# Altium PCB ddrlegobrick.PcbDoc (part 1 of 2)
Units mm, origin at the board's own origin, x right, y up, seen from the top; angles counter-clockwise.
Board outline 62 x 30 mm, 4 copper layers (TOP_PWR, POWER, SHIELD_GND, SIGNAL), stack 0.603 mm thick; 106 components, 102 nets, 465 pads, 300 vias.
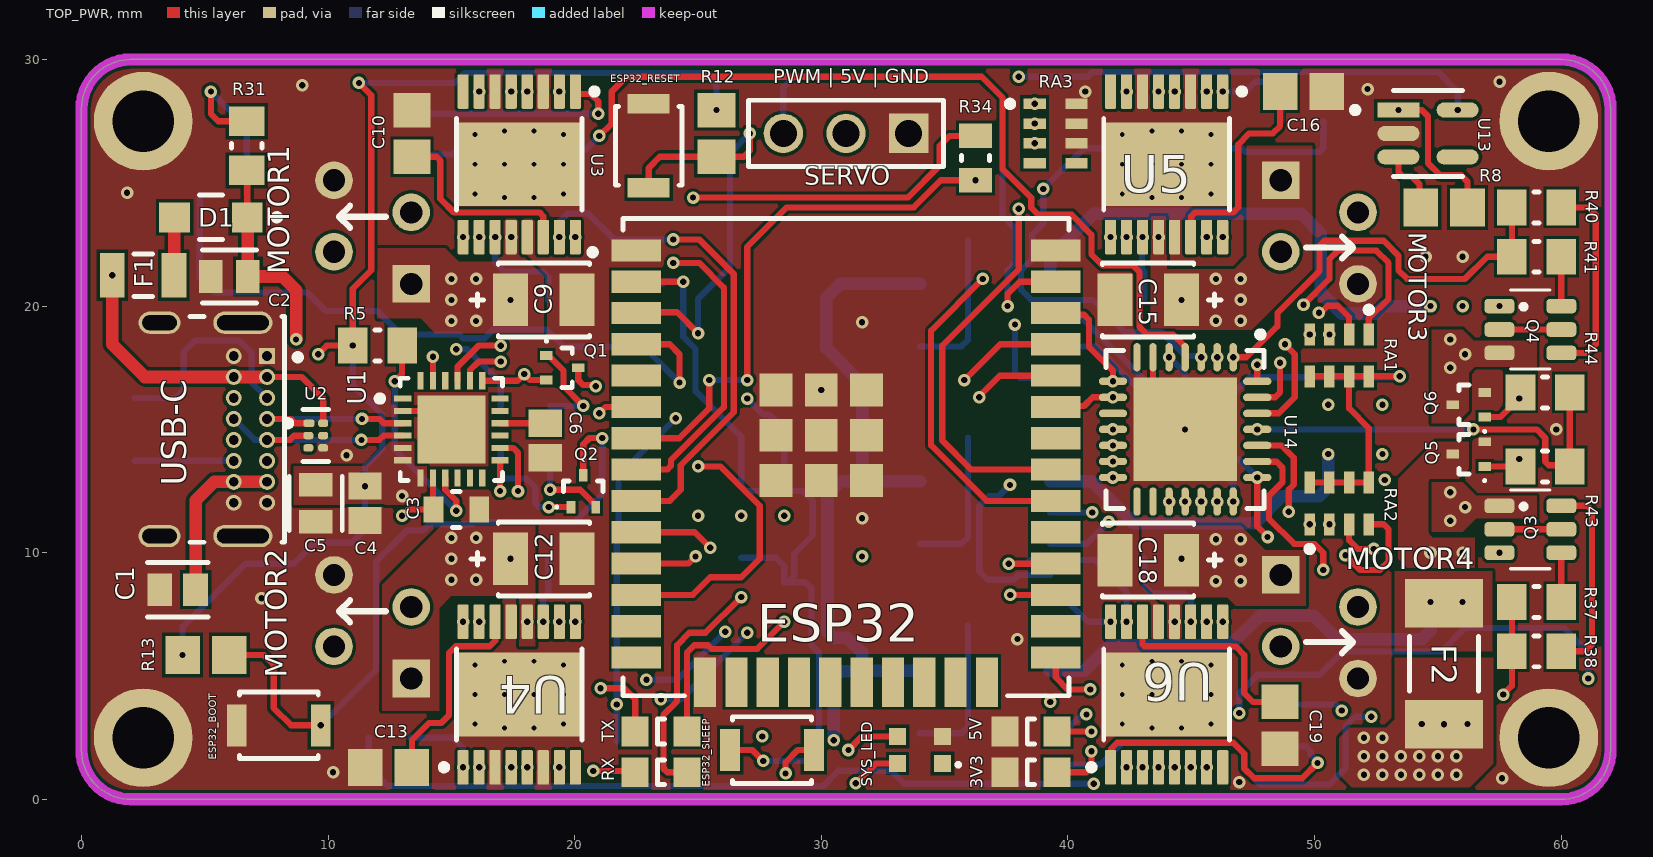
[diagram p0: TOP_PWR view]
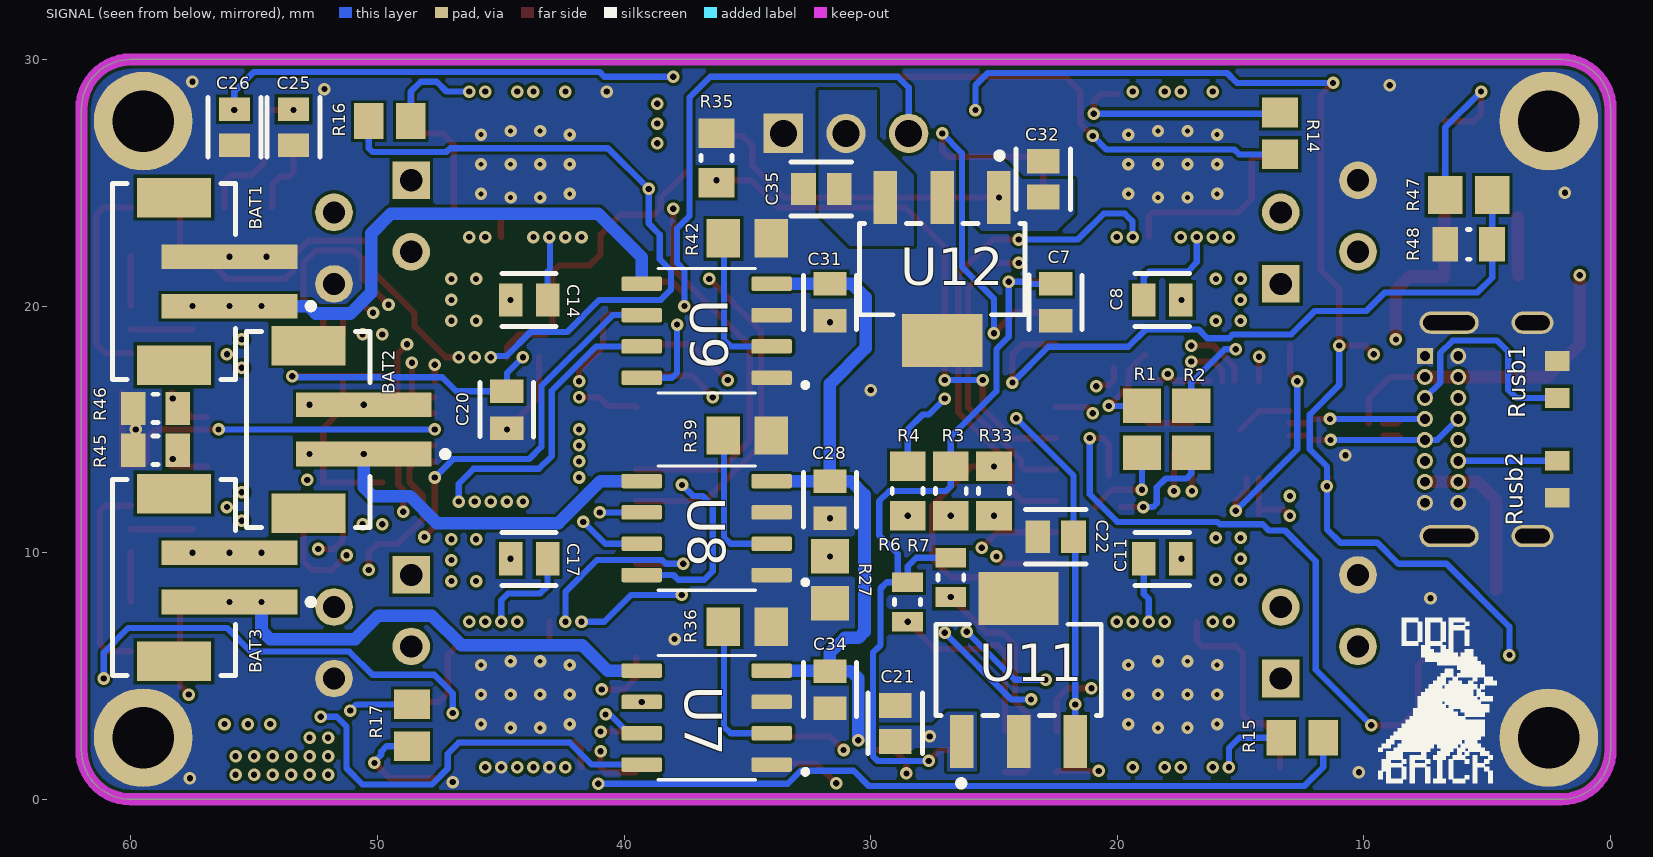
[diagram p1: SIGNAL view, seen from below]
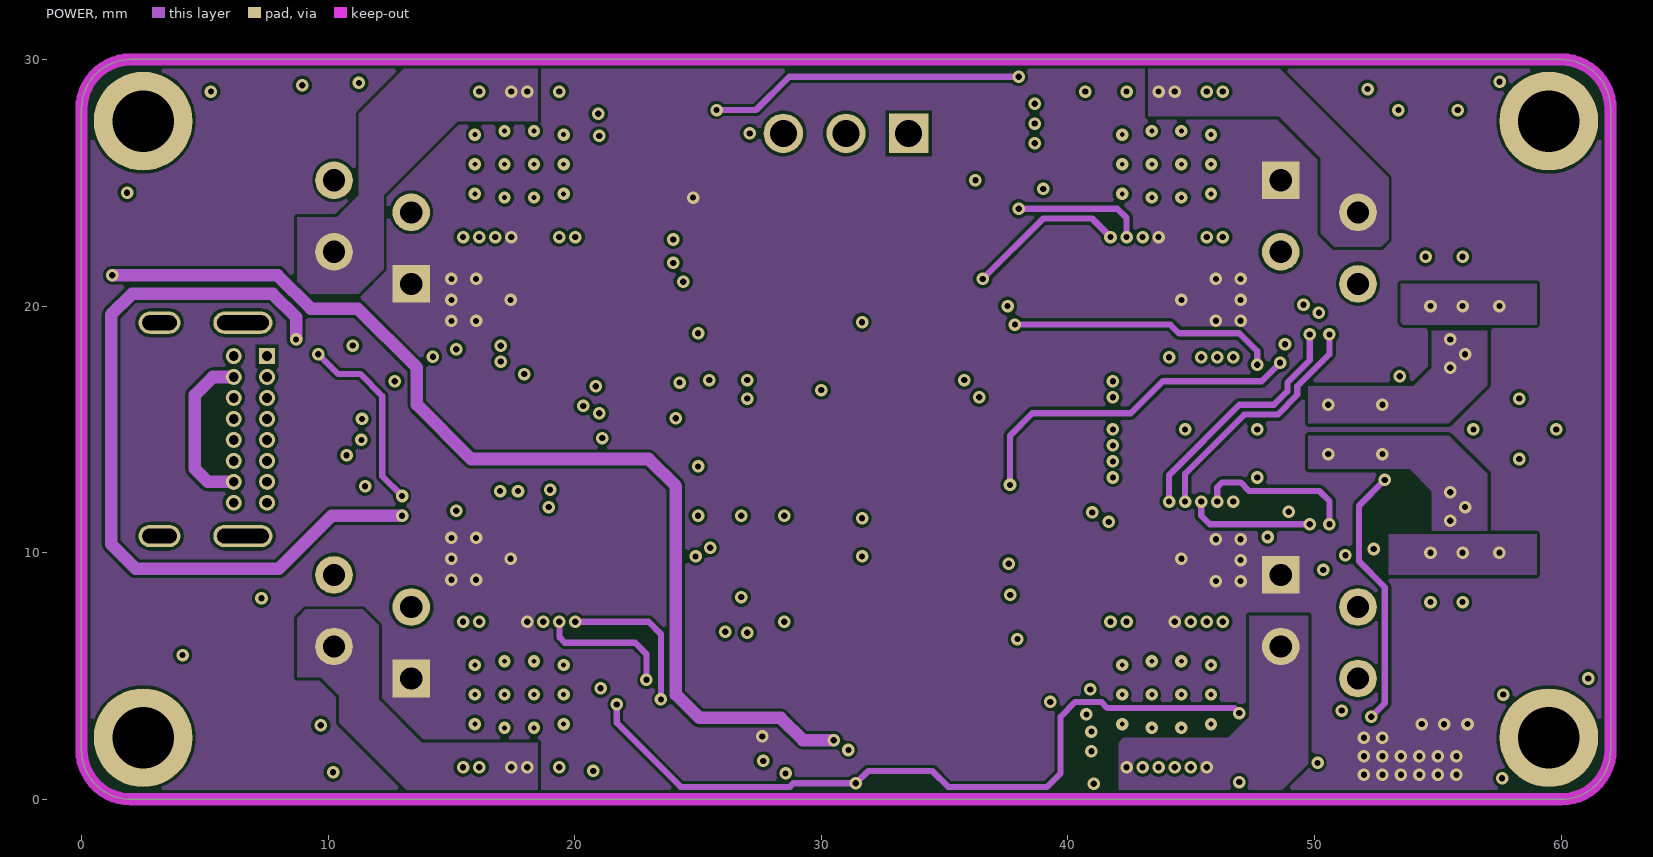
[diagram p2: POWER]
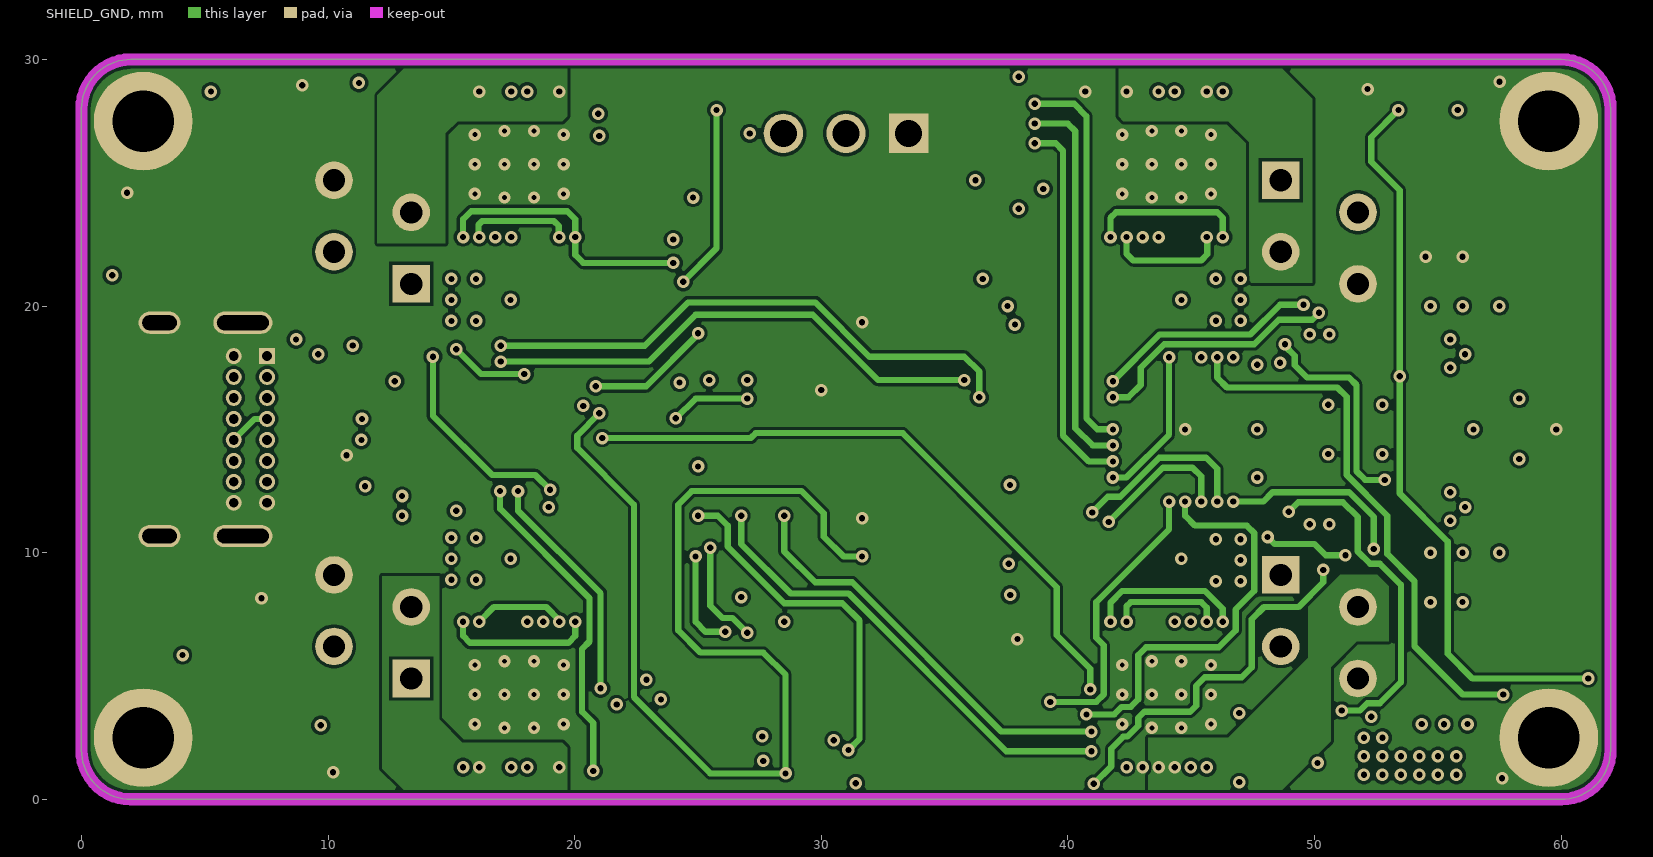
[diagram p3: SHIELD_GND]
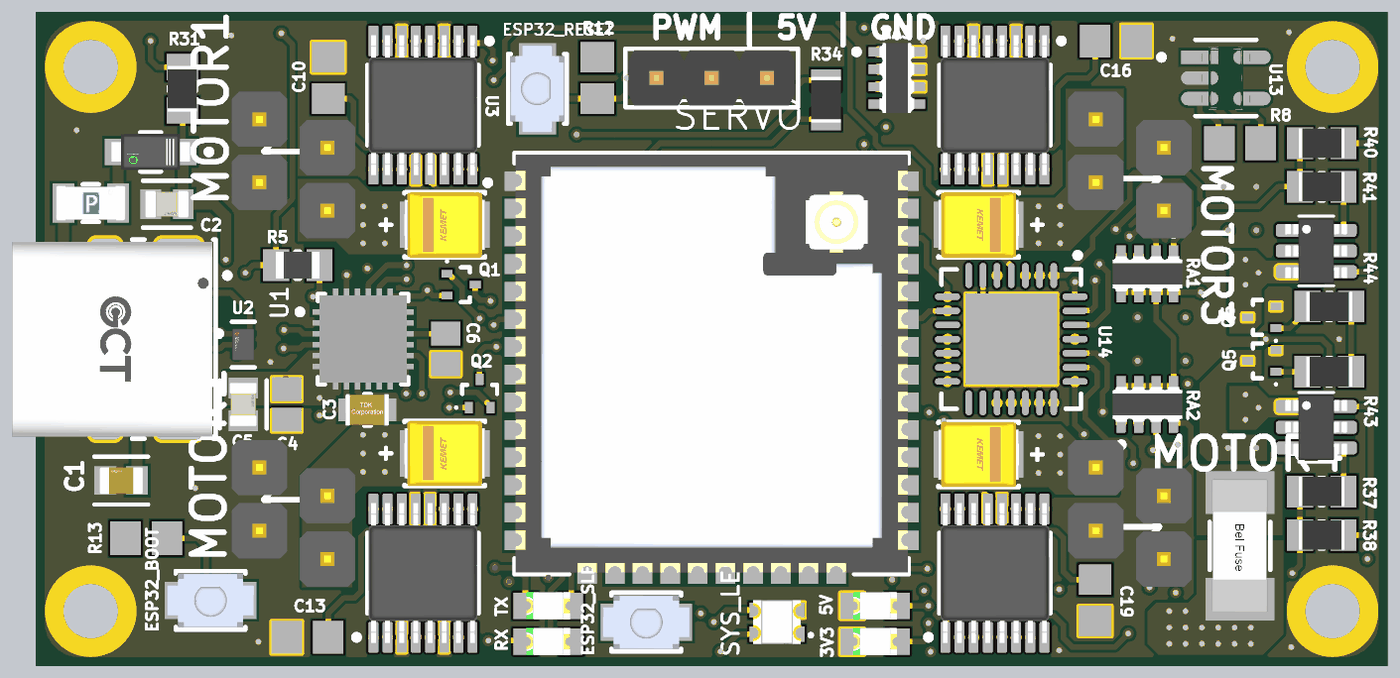
[diagram p5: 3D render of the assembled board from above, using the file's embedded part models]
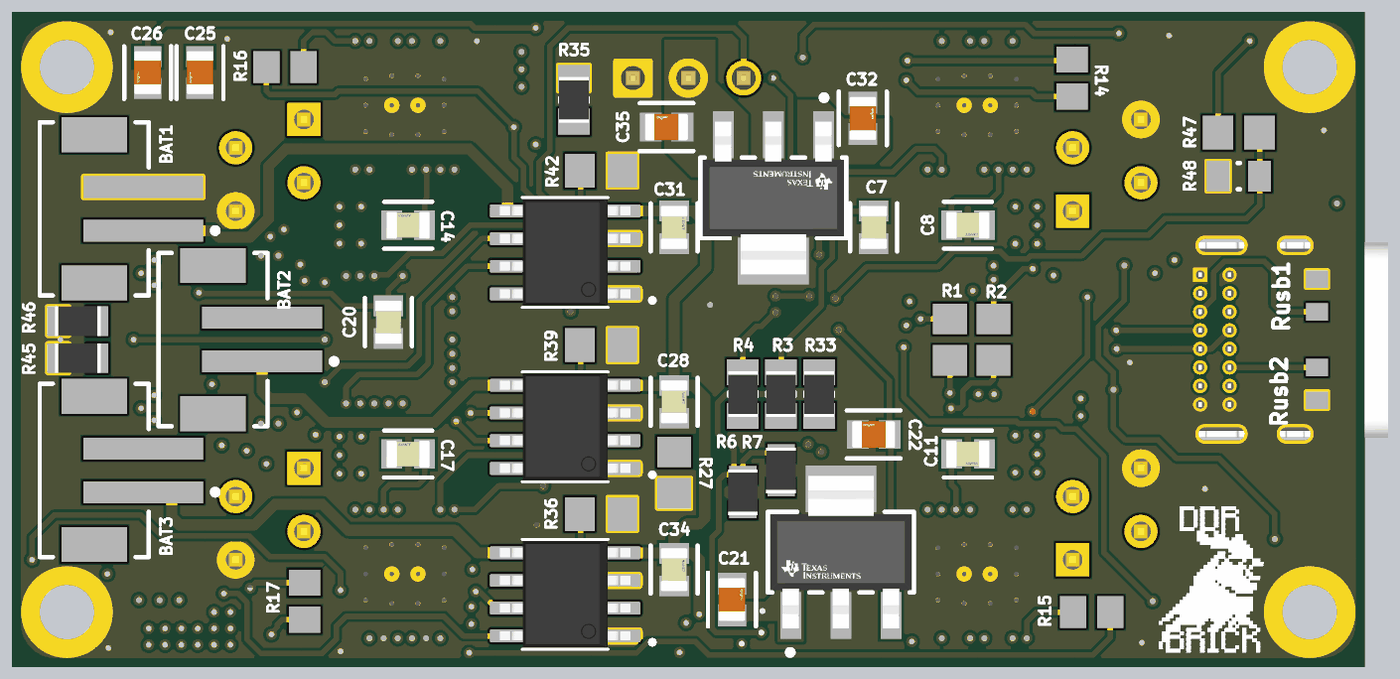
[diagram p6: 3D render of the assembled board from below, using the file's embedded part models]

## Layer stack, top to bottom
Top Solder: solder mask 0.0102, Solder Resist, Dk 3.5
TOP_PWR: signal copper 0.0356
Dielectric 2: prepreg 0.0711, PP-006, Dk 4.1
POWER: signal copper 0.035
Dielectric 1: dielectric 0.32, FR-4, Dk 4.8
SHIELD_GND: signal copper 0.035
Dielectric 3: prepreg 0.0711, PP-006, Dk 4.1
SIGNAL: signal copper 0.0356
Bottom Solder: solder mask 0.0102, Solder Resist, Dk 3.5

## Board outline
2,30 ccw(c2,28) 0,28 0,2 ccw(c2,2) 2,0 60,0 ccw(c60,2) 62,2 62,28 ccw(c60,28) 60,30

## Design rules (kind name [scope] priority, off if disabled: settings)
Clearance [All] p1: gap=0.127 ignorepadtopadclearanceinfootprint=FALSE
PolygonConnect [All] p1: connectstyle=Direct reliefconductorwidth=0.254 reliefentries=4 polygonreliefangle="90 Angle" airgapwidth=0.254
RoutingVias [All] p1: holewidth=0.711 width=1.27 viastyle="Through Hole" minholewidth=0.711 minwidth=1.27 maxholewidth=0.711 maxwidth=1.27
SolderMaskExpansion [All] p1: expansion=0.102 istentingtop=FALSE
Width [All] p1: maxlimit=3 minlimit=0.127 preferedwidth=0.254 toplayer_maxwidth=0.508 midlayer1_minwidth=0.254 midlayer2_minwidth=0.254 bottomlayer_maxwidth=0.508 minimp=50.000000 maximp=50.000000 favimp=50.000000
30 further rules are at their usual default settings.

## Classes and differential pairs
component class POWER_REG: C21 C22 C32 C35 F2 U11 U12
component class GPIO_EXT: C20 RA1 RA2 RA3 U14
component class CONN: MOTOR1 MOTOR2 MOTOR3 MOTOR4 "PWM - 5V- GND" SERVO
component class USB-ESP32: 3V3 5V C1 C2 C3 C4 C5 C6 C25 C26 D1 F1 Q1 Q2 R1 R2 R3 R4 R5 R6 R7 R8 R31 Rusb1 Rusb2 RX TX U1 U2 U13 USB-C
component class DRV8833: C8 C9 C10 C11 C12 C13 C14 C15 C16 C17 C18 C19 R14 R15 R16 R17 U3 U4 U5 U6
component class ESP32: C7 ESP32 ESP32_BOOT ESP32_RESET ESP32_SLEEP R12 R13 R27 R33 R47 R48 SYS_LED
component class CHARGING: BAT1 BAT2 BAT3 C28 C31 C34 Q3 Q4 Q5 Q6 R34 R35 R36 R37 R38 R39 R40 R41 R42 R43 R44 R45 R46 U7 U8 U9

## Components (designator, comment, footprint, x,y, rotation, side; value= is the part's Value field where it differs from the comment)
3V3 "150080GS75000" 0805_A 38.5,1.1 r0 top
5V "150080GS75000" 0805_A 38.5,2.75 r0 top
BAT1 "B2B-PH-SM4-TB(LF)(SN)" JST-B2B-PH-SM4-TB-2_V 58.25,21 r270 bottom locked
BAT2 "B2B-PH-SM4-TB(LF)(SN)" JST-B2B-PH-SM4-TB-2_V 52.8,15 r270 bottom locked
BAT3 "B2B-PH-SM4-TB(LF)(SN)" JST-B2B-PH-SM4-TB-2_V 58.25,9 r270 bottom locked
C1 "10uF 25V 0805" FP-GRM21B-0_15-IPC_C 3.9,8.5 r180 top
C2 "0.1uF 50V 0805" FP-C0805C-DN-MFG 6,21.2 r180 top value="0.10 μF"
C3 "4.7uF 50V 0805" FP-C2012-125-MFG 15.2,11.75 r0 top value=4.7uF
C4 "1uF 16V 0805" CAPC2013X145X50LL20T25 11.5,12 r90 top
C5 "0.1uF 50V 0805" FP-C0805C-DN-MFG 9.5,12 r270 top value="0.10 μF"
C6 "4.7uF 16V 0805" CAPC2013X140X50LL20T25 18.8,14.55 r270 top
C7 "10uF 10V 0805" FP-C0805C-DG-MFG 22.5,20.15 r270 bottom value=10uF
C8 "10nF 25V 0805" FP-C0805C-DN-MFG 18.175,20.25 r0 bottom value="10,000 pF"
C9 "10uF 25V 3528" FP-T491B106K025AT-MFG 18.75,20.25 r180 top
C10 "2.2uF 25V 0805" CAPC2013X135X45ML10T25 13.4,27 r270 top
C11 "10nF 25V 0805" FP-C0805C-DN-MFG 18.175,9.75 r0 bottom value="10,000 pF"
C12 "10uF 25V 3528" FP-T491B106K025AT-MFG 18.75,9.75 r180 top
C13 "2.2uF 25V 0805" CAPC2013X135X45ML10T25 12.45,1.3 r0 top
C14 "10nF 25V 0805" FP-C0805C-DN-MFG 43.85,20.25 r180 bottom value="10,000 pF"
C15 "10uF 25V 3528" FP-T491B106K025AT-MFG 43.25,20.25 r0 top
C16 "2.2uF 25V 0805" CAPC2013X135X45ML10T25 49.55,28.7 r180 top
C17 "10nF 25V 0805" FP-C0805C-DN-MFG 43.85,9.75 r180 bottom value="10,000 pF"
C18 "10uF 25V 3528" FP-T491B106K025AT-MFG 43.25,9.7 r0 top
C19 "2.2uF 25V 0805" CAPC2013X135X45ML10T25 48.6,3 r90 top
C20 "10uF 10V 0805" FP-C0805C-DG-MFG 44.75,15.8 r270 bottom value=10uF
C21 "10uF 25V 0805" FP-GRM21B-0_15-IPC_C 29,3.076 r90 bottom
C22 "10uF 25V 0805" FP-GRM21B-0_15-IPC_C 22.5,10.65 r0 bottom
C25 "10uF 16V 0805" FP-GRM21B-0_1-IPC_C 53.4,27.25 r270 bottom
C26 "10uF 16V 0805" FP-GRM21B-0_1-IPC_C 55.8,27.25 r270 bottom
C28 "100nF 16V 0805" FP-C0805C-DN-MFG 31.65,12.15 r270 bottom value="0.10 μF"
C31 "100nF 16V 0805" FP-C0805C-DN-MFG 31.65,20.15 r270 bottom value="0.10 μF"
C32 "10uF 25V 0805" FP-GRM21B-0_15-IPC_C 23,25.15 r90 bottom
C34 "100nF 16V 0805" FP-C0805C-DN-MFG 31.65,4.45 r270 bottom value="0.10 μF"
C35 "10uF 25V 0805" FP-GRM21B-0_15-IPC_C 32,24.75 r0 bottom
D1 "MBR120LSFT3G" FP-498-MFG 5.25,23.6 r180 top
ESP32 "ESP32-WROOM-32D" ESP32-WROOM-U 31,17 r0 top locked
ESP32_BOOT "B3U-1000P" FP-B3U-1000P-MFG 8,3 r0 top
ESP32_RESET "B3U-1000P" FP-B3U-1000P-MFG 23,26.5 r270 top
ESP32_SLEEP "B3U-1000P" FP-B3U-1000P-MFG 28,2 r0 top
F1 "0437003.WR" FP-437-MFG 2.5,21.25 r0 top value=0.033Ω
F2 "0679L9150-01" FP-0679L-MFG 55.25,5.5 r270 top value=0.0038Ω
MOTOR1 "PF_CONN" PF_CONN 11.89,22.925 r270 top locked
MOTOR2 "PF_CONN" PF_CONN 11.89,6.925 r270 top locked
MOTOR3 "PF_CONN" PF_CONN 50.11,23.075 r90 top locked
MOTOR4 "PF_CONN" PF_CONN 50.11,7.075 r90 top locked
Q1 "MMBT2222ATT1G" ONSC-SC-75-3-463-01_V 19.5,17.5 r0 top
Q2 "MMBT2222ATT1G" ONSC-SC-75-3-463-01_V 20.35,12.5 r90 top
Q3 "FS8205" FS8205 58.75,10.95 r0 top
Q4 "FS8205" FS8205 58.75,19.05 r0 top
Q5 "MMBT2222ATT1G" ONSC-SC-75-3-463-01_V 56.25,14 r180 top
Q6 "MMBT2222ATT1G" ONSC-SC-75-3-463-01_V 56.25,16 r180 top
R1 "10K 5% 0805" RESC2013X60X40ML20T25 19,15 r270 bottom
R2 "10K 5% 0805" RESC2013X60X40ML20T25 17,15 r90 bottom
R3 "1k 5% 0805" RESC2013X60X35ML10T20 26.75,12.5 r270 bottom
R4 "1k 5% 0805" RESC2013X60X35ML10T20 28.5,12.5 r270 bottom
R5 "4k7 1% 0805" YAGO-RC0805_M 12,18.4 r180 top
R6 "330R 0805" RESC2013X60X35LL10T20 28.5,8 r90 bottom
R7 "330R 0805" RESC2013X60X35LL10T20 26.75,9 r90 bottom
R8 "10K 5% 0805" RESC2013X60X40ML20T25 55.25,24 r0 top
R12 "10K 5% 0805" RESC2013X60X40ML20T25 25.75,27 r90 top
R13 "10K 5% 0805" RESC2013X60X40ML20T25 5.05,5.85 r180 top
R14 "220R 5% 0805" RESC2013X60X40NL20T25 13.4,27 r90 bottom
R15 "220R 5% 0805" RESC2013X60X40NL20T25 12.5,2.5 r0 bottom
R16 "220R 5% 0805" RESC2013X60X40NL20T25 49.5,27.5 r180 bottom
R17 "220R 5% 0805" RESC2013X60X40NL20T25 48.6,3 r270 bottom
R27 "10K 5% 0805" RESC2013X60X40ML20T25 31.65,8.9 r90 bottom
R31 "0R 1% 0805" RESC2013X60X35ML10T20 6.7,26.5 r270 top
R33 "100R 5% 0805" RESC2013X60X35ML10T20 25,12.5 r270 bottom
R34 "10k 5% 0805" RESC2013X60X35NL10T20 36.25,26 r90 top
R35 "3K3 5% 0805" RESC2013X60X35ML10T20 36.25,26 r270 bottom
R36 "1K2 1% 0805" RESC2013X70X40ML20T20 35,7 r0 bottom
R37 "100R 5% 0805" RESC2013X60X35ML10T20 59,8 r0 top
R38 "100R 5% 0805" RESC2013X60X35ML10T20 59,6 r0 top
R39 "1K2 1% 0805" RESC2013X70X40ML20T20 35,14.75 r0 bottom
R40 "100R 5% 0805" RESC2013X60X35ML10T20 59,24 r0 top
R41 "100R 5% 0805" RESC2013X60X35ML10T20 59,22 r0 top
R42 "1K2 1% 0805" RESC2013X70X40ML20T20 35,22.75 r0 bottom
R43 "1k 5% 0805" RESC2013X60X35ML10T20 59.35,13.5 r0 top
R44 "1k 5% 0805" RESC2013X60X35ML10T20 59.35,16.5 r0 top
R45 "10k 5% 0805" RESC2013X60X35NL10T20 59,14.15 r180 bottom
R46 "10k 5% 0805" RESC2013X60X35NL10T20 59,15.85 r0 bottom
R47 "10K 5% 0805" RESC2013X60X40ML20T25 5.75,24.5 r0 bottom
R48 "20K 5% 0805" RESC0805(2012)_N 5.75,22.5 r180 bottom value="20000.00 Ohm"
RA1 "CAY16-103J4LF" BOUR-CAY16-J4_V 51,18 r270 top
RA2 "CAY16-103J4LF" BOUR-CAY16-J4_V 51,12 r90 top
RA3 "CAY16-103J4LF" BOUR-CAY16-J4_V 39.5,27 r0 top
Rusb1 "5K1 1% 0603" RESC1608X55X25ML10T15 2.165,17.025 r270 bottom
Rusb2 "5K1 1% 0603" RESC1608X55X25ML10T15 2.165,12.975 r90 bottom
RX "150080YS75000" 0805_A 23.5,1.1 r0 top
SERVO "61300311121" 61300311121 31,27 r180 top
SYS_LED "ws2812b-2020" ws2812b 34,2 r180 top
TX "150080YS75000" 0805_A 23.5,2.75 r0 top
U1 "CP2104-F03-GM" FP-CP2104-F03-GM-MFG 15,15 r0 top
U2 "TPD4S012DRYR" FP-DRY0006A-MFG 9.5,14.75 r0 top
U3 "DRV8833PWP" PWP0016C_N 17.75,25.75 r270 top locked
U4 "DRV8833PWP" PWP0016C_N 17.75,4.25 r90 top locked
U5 "DRV8833PWP" PWP0016C_N 44,25.75 r270 top locked
U6 "DRV8833PWP" PWP0016C_N 44,4.25 r90 top locked
U7 "TP4056" TP4056 36.65,3.315 r0 bottom
U8 "TP4056" TP4056 36.65,11 r0 bottom
U9 "TP4056" TP4056 36.65,19 r0 bottom
U11 "UA78M05IDCYR" FP-DCY0004A-MFG 24,5.25 r90 bottom
U12 "UA78M05IDCYR" FP-DCY0004A-MFG 27.1,21.5 r270 bottom
U13 "AP2112K-3.3TRG1" FP-SOT25-IPC_A 54.6,27 r0 top
U14 "MCP23017-E/ML" MCP23017 44.75,15 r270 top
USB-C "USB4085-GF-A" FP-USB4085-GF-A-MFG 3.5,15 r270 top

## Footprints (in the part's own frame and the unit in brackets; to place one, negate y for a bottom-side part, rotate by r counter-clockwise, add the part's x,y. Pads: shape width x height; smd on the part's side, far side on the other; paste and mask are expansions set on the pad)
0805_A [mm] "Chip LED, 2-Leads, Body 2.0x1.3mm, IPC Medium Density"
  rect 1.1x1.2 smd: 1(-1.05,0) 2(1.05,0)
  silkscreen extent -0.15,-0.5 0.15,0.5, body extent -1,-0.63 1,0.63, height 0.68
61300311121 [mm] "Pin Header, pitch 2.54 mm, THT, Vertical, single row, 3p"
  rect 1.6x1.6 hole 1.1: 1(-2.54,0)
  round 1.6 hole 1.1: 2(0,0) 3(2.54,0)
  silkscreen extent -3.96,-1.35 3.96,1.35, body extent -3.81,-1.27 3.81,1.27, height 8.57
BOUR-CAY16-J4_V [mm] "SMD, 8-Leads, Body 1.6x3.2mm, Pitch 0.8mm"
  rect 0.9x0.425 smd: 1(-0.85,1.2) 2(-0.85,0.4) 3(-0.85,-0.4) 4(-0.85,-1.2) 5(0.85,-1.2) 6(0.85,-0.4) 7(0.85,0.4) 8(0.85,1.2)
  silkscreen extent -1.97,1.08 -1.73,1.33, body extent -0.8,-1.6 0.8,1.6, height 0.6
CAPC2013X135X45ML10T25 [mm] "Chip Capacitor, 2-Leads, Body 2.00x1.25mm, IPC Low Density"
  rect 1.4x1.5 smd: 1(-0.95,0) 2(0.95,0)
  body extent -1.05,-0.67 1.05,0.67, height 1.35
CAPC2013X140X50LL20T25 [mm] "Chip Capacitor, 2-Leads, Body 2.00x1.25mm, IPC High Density"
  rect 1.1x1.35 smd: 1(-0.7,0) 2(0.7,0)
  body extent -1.1,-0.72 1.1,0.72, height 1.4
CAPC2013X145X50LL20T25 [mm] "Chip Capacitor, 2-Leads, Body 2.00x1.25mm, IPC High Density"
  rect 1.1x1.35 smd: 1(-0.7,0) 2(0.7,0)
  body extent -1.1,-0.72 1.1,0.72, height 1.45
ESP32-WROOM-U [mm]
  rect 2x0.9 smd paste+0 mask+0: 1(-8.5,5.26) 2(-8.5,3.99) 3(-8.5,2.72) 4(-8.5,1.45) 5(-8.5,0.18) 6(-8.5,-1.09) 7(-8.5,-2.36) 8(-8.5,-3.63) 9(-8.5,-4.9) 10(-8.5,-6.17) 11(-8.5,-7.44) 12(-8.5,-8.71) 13(-8.5,-9.98) 14(-8.5,-11.25) 25(8.5,-11.25) 26(8.5,-9.98) 27(8.5,-8.71) 28(8.5,-7.44) 29(8.5,-6.17) 30(8.5,-4.9) 31(8.5,-3.63) 32(8.5,-2.36) 33(8.5,-1.09) 34(8.5,0.18) 35(8.5,1.45) 36(8.5,2.72) 37(8.5,3.99) 38(8.5,5.26)
  rect 0.9x2 smd paste+0 mask+0: 15(-5.715,-12.25) 16(-4.445,-12.25) 17(-3.175,-12.25) 18(-1.905,-12.25) 19(-0.635,-12.25) 20(0.635,-12.25) 21(1.905,-12.25) 22(3.175,-12.25) 23(4.445,-12.25) 24(5.715,-12.25)
  rect 1.33x1.33 smd paste+0 mask+0: 39(-2.835,-4.075) 39(-2.835,-2.24) 39(-2.835,-0.405) 39(-1,-4.075) 39(-1,-2.24) 39(-1,-0.405) 39(0.835,-4.075) 39(0.835,-2.24) 39(0.835,-0.405)
  silkscreen extent -10.4,-12.8 9.05,6.55, body extent -9,-12.73 9,6.47, height 3.35
FP-437-MFG [mm]
  rect 1x1.8 smd paste+0 mask+0: 1(-1.25,0) 2(1.25,0)
  silkscreen extent -0.38,-0.86 0.38,0.86, body extent -1.85,-1 1.85,1, height 0.25
FP-498-MFG [mm]
  rect 1.25x1.22 smd paste+0 mask+0: 1(-1.475,0) 2(1.475,0)
  silkscreen extent -2.8,-0.9 0.48,0.9, body extent -2.2,-1 2.2,1, height 0.25
FP-0679L-MFG [mm]
  rect 1.96x3.15 smd paste+0 mask+0: 1(-2.455,0) 2(2.455,0)
  silkscreen extent -1.1,-1.4 1.1,1.4, body extent -3.53,-1.68 3.53,1.68, height 0.25
FP-B3U-1000P-MFG [mm]
  rect 0.8x1.7 smd paste+0 mask+0: 1(-1.7,0) 2(1.7,0)
  silkscreen extent -1.6,-1.35 1.6,1.35, body extent -2.2,-1.45 2.2,1.45, height 0.25
FP-C0805C-DG-MFG [mm]
  rect 0.95x1.35 smd paste+0 mask+0: 1(-0.75,0) 2(0.75,0)
  silkscreen extent -1.11,-1.08 1.1,1.07, body extent -1,-0.63 1,0.63, height 1.4
FP-C0805C-DN-MFG [mm]
  rect 0.95x1.35 smd paste+0 mask+0: 1(-0.75,0) 2(0.75,0)
  silkscreen extent -1.1,-1.07 1.1,1.07, body extent -1.4,-0.85 1.4,0.85, height 0.25
FP-C2012-125-MFG [mm]
  rect 0.8x1.05 smd paste+0 mask+0: 1(-0.925,0) 2(0.925,0)
  silkscreen extent -0.15,-0.72 0.15,0.72, body extent -1.01,-0.72 0.99,0.73, height 1.45
FP-CP2104-F03-GM-MFG [mm]
  rect 0.7x0.25 smd paste+0 mask+0: 1(-1.975,1.25) 2(-1.975,0.75) 3(-1.975,0.25) 4(-1.975,-0.25) 5(-1.975,-0.75) 6(-1.975,-1.25) 13(1.975,-1.25) 14(1.975,-0.75) 15(1.975,-0.25) 16(1.975,0.25) 17(1.975,0.75) 18(1.975,1.25)
  rect 0.25x0.7 smd paste+0 mask+0: 7(-1.25,-1.975) 8(-0.75,-1.975) 9(-0.25,-1.975) 10(0.25,-1.975) 11(0.75,-1.975) 12(1.25,-1.975) 19(1.25,1.975) 20(0.75,1.975) 21(0.25,1.975) 22(-0.25,1.975) 23(-0.75,1.975) 24(-1.25,1.975)
  rect 2.75x2.75 smd paste-1000 mask+0: 25(0,0)
  silkscreen extent -3.02,-2.07 2.08,2.07, body extent -2.42,-2.42 2.43,2.42, height 0.25
FP-DCY0004A-MFG [mm]
  rect 2.15x0.95 smd paste+0 mask+0: 1(-2.9,2.3) 2(-2.9,0) 3(-2.9,-2.3)
  rect 2.15x3.25 smd paste+0 mask+0: 4(2.9,0)
  silkscreen extent -4.72,-3.35 1.85,3.35, body extent -3.5,-3.25 3.5,3.25, height 1.7
FP-DRY0006A-MFG [mm]
  rrect67% 0.45x0.3 smd paste-1000 mask-1000: 1(-0.275,0.5)
  rrect67% 0.4x0.3 smd paste-1000 mask-1000: 2(-0.3,0) 3(-0.3,-0.5) 4(0.3,-0.5) 5(0.3,0) 6(0.3,0.5)
  silkscreen extent -1.25,-1.05 0.53,1.05, body extent -0.5,-0.72 0.5,0.72, height 0.6
FP-GRM21B-0_1-IPC_C [mm]
  rect 0.958x1.262 smd paste+0 mask+0: 1(-0.727,0) 2(0.727,0)
  silkscreen extent -1.21,-1.07 1.21,1.07, body extent -1,-0.63 1,0.63, height 1.35
FP-GRM21B-0_15-IPC_C [mm]
  rect 1.006x1.308 smd paste+0 mask+0: 1(-0.726,0) 2(0.726,0)
  silkscreen extent -1.23,-1.1 1.23,1.1, body extent -1.33,-0.8 1.33,0.8, height 0.25
FP-SOT25-IPC_A [mm]
  rect 1.707x0.616 smd paste+0 mask+0: 1(-1.201,0.95)
  rrect100% 1.707x0.616 smd paste+0 mask+0: 2(-1.201,0) 3(-1.201,-0.95) 4(1.201,-0.95) 5(1.201,0.95)
  silkscreen extent -3.08,-1.75 1.4,1.75, body extent -1.4,-1.47 1.4,1.45, height 1.45
FP-T491B106K025AT-MFG [mm]
  rect 1.42x2.13 smd paste+0 mask+0: 1(-1.35,0) 2(1.35,0)
  silkscreen extent -1.85,-1.5 2.95,1.5, body extent -2.18,-1.62 2.18,1.62, height 0.25
FP-USB4085-GF-A-MFG [mm]
  rrect100% 0.9x2.4 hole 2.1 slot 0.6 at 0 deg paste-1000 mask+0: 1(-4.325,3.045) 2(4.325,3.045)
  rrect100% 0.9x1.7 hole 1.4 slot 0.6 at 0 deg paste-1000 mask+0: 3(-4.325,-0.335) 4(4.325,-0.335)
  rect 0.65x0.65 hole 0.4 paste-1000 mask+0: A1(-2.975,4.025)
  round 0.65 hole 0.4 paste-1000 mask+0: A4(-2.125,4.025) A5(-1.275,4.025) A6(-0.425,4.025) A7(0.425,4.025) A8(1.275,4.025) A9(2.125,4.025) A12(2.975,4.025) B1(2.975,2.675) B4(2.125,2.675) B5(1.275,2.675) B6(0.425,2.675) B7(-0.425,2.675) B8(-1.275,2.675) B9(-2.125,2.675) B12(-2.975,2.675)
  silkscreen extent -4.57,0.89 4.57,5.4, body extent -4.87,-4.83 4.87,4.83, height 0.25
FS8205 [mm]
  rrect50% 1.21x0.59 smd: D12(-1.255,0) D12(1.255,0) G1(1.255,0.95) G2(1.255,-0.95) S1(-1.255,0.95) S2(-1.255,-0.95)
  silkscreen extent -0.8,-1.6 0.8,1.6, body extent -1.42,-1.5 1.42,1.5, height 1.2
JST-B2B-PH-SM4-TB-2_V [mm] "SMD, 2-Leads, Body 7.95x5mm, Pitch 2mm"
  rect 1x5.5 smd: 1(1,2.25) 2(-1,2.25)
  rect 1.6x3 smd: MP1(3.4,0) MP2(-3.4,0)
  silkscreen extent -3.98,-2.5 3.98,5.67, body extent -3.97,-2.5 3.97,4.5, height 6.6
MCP23017 [mm] "QFN, 28-Leads, Body 6x6mm, Pitch 0.65mm, Thermal Pad 4.2x4.2mm, IPC Low Density"
  oval 1.15x0.3 smd: 1(-2.925,1.95) 2(-2.925,1.3) 3(-2.925,0.65) 4(-2.925,0) 5(-2.925,-0.65) 6(-2.925,-1.3) 7(-2.925,-1.95) 15(2.925,-1.95) 16(2.925,-1.3) 17(2.925,-0.65) 18(2.925,0) 19(2.925,0.65) 20(2.925,1.3) 21(2.925,1.95)
  oval 0.3x1.15 smd: 8(-1.95,-2.925) 9(-1.3,-2.925) 10(-0.65,-2.925) 11(0,-2.925) 12(0.65,-2.925) 13(1.3,-2.925) 14(1.95,-2.925) 22(1.95,2.925) 23(1.3,2.925) 24(0.65,2.925) 25(0,2.925) 26(-0.65,2.925) 27(-1.3,2.925) 28(-1.95,2.925)
  rect 4.2x4.2 smd: 29(0,0)
  silkscreen extent -3.97,-3.2 3.2,3.2, body extent -3.05,-3.05 3.05,3.05, height 1
ONSC-SC-75-3-463-01_V [mil] "SOT23, 3-Leads, Body 1.6x0.8mm, Pitch 0.5mm"
  rect 20x14.02 smd: 1(-25.49,19.68) 2(-25.49,-19.69) 3(25.49,0)
  silkscreen extent -27,-31 16,44, body extent -16,-31 16,31, height 35